# Altium PCB cheriot-test.PcbDoc (part 7 of 10)
Units mil, origin at the board's own origin, x right, y up, seen from the top; angles counter-clockwise.
Board outline 4921.26 x 3149.61 mil, 8 copper layers (Top Layer, Int1 (Sign), Int2 (GND), Int3 (Sign), Int4 (Sign), Int5 (PWR), Int6 (Sign), Bottom Layer), stack 60.424 mil thick; 468 components, 516 nets, 2293 pads, 1328 vias.
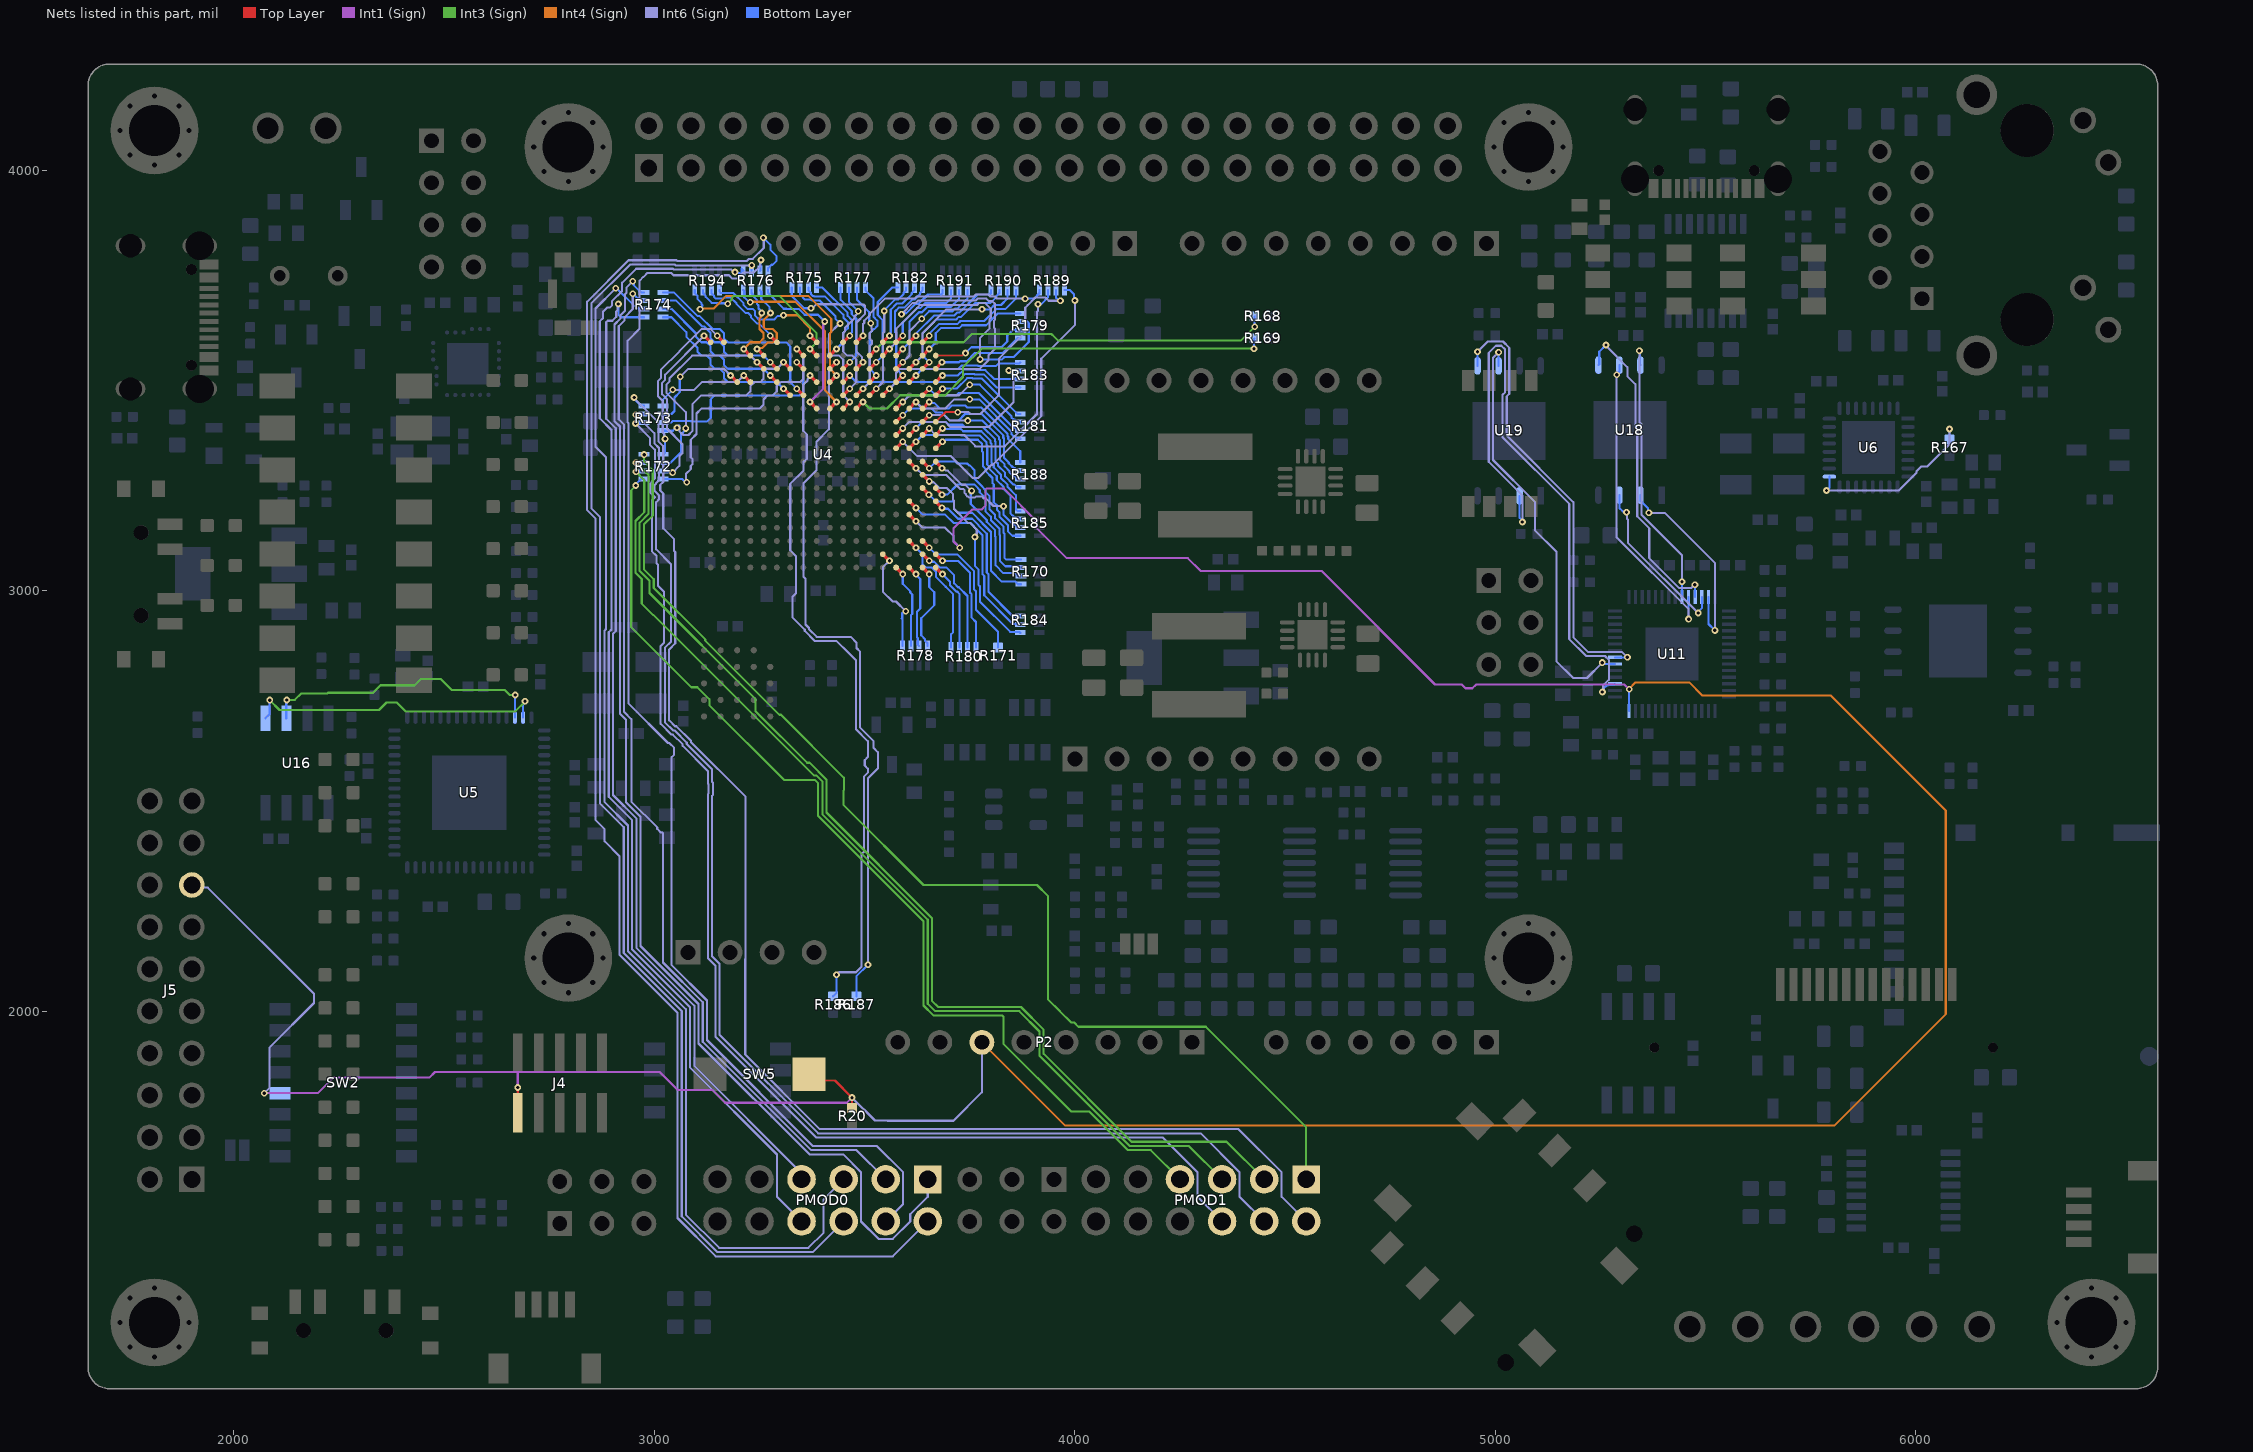
[diagram p13: the nets of this part, all layers, seen from the top]

## Via types
v1: diameter 16, hole 8, Top Layer to Bottom Layer, tented both sides, 1207 vias
v2: diameter 24, hole 12, Top Layer to Bottom Layer, tented both sides, 105 vias
v3: diameter 23.62, hole 11.81, Top Layer to Bottom Layer, tented both sides, 16 vias

## Nets (pads, with @x,y where several pads share a name; then routed paths per layer and width w, separated by ;. In a path a pad name is that pad's centre, name@x,y a point inside that pad or via, vN(x,y) a via of type N, cw(c..) or ccw(c..) an arc to the next point about the centre after c; other vN are vias at no path point) (continued)
NetR167_2: R167.2 U6.17 | length 437
  Int6 (Sign) w5: v1(5787.4,3238.19) 5959.12,3238.19 6001.53,3280.6 6001.53,3284 6012.95,3295.43 6016.36,3295.43 6016.54,3295.61 6027.53,3295.61 6080,3348.08 v1(6080,3384.5)
  Bottom Layer w5: v1(5787.4,3238.19) 5794.05,3244.83 U6.17@5794.05,3271.1 ; R167.2@6080,3359.68 v1(6080,3384.5)
NetR168_1: R168.1 U4.N17 | length 981.8
  Top Layer w8: U4.N17@3511.81,3559.06 v1(3527.56,3574.8)
  Int3 (Sign) w5: v1(3527.56,3574.8) 3543.56,3590.8 3735.38,3590.8 3754.96,3610.38 3943.81,3610.38 3945.51,3608.68 3946.57,3608.68 3960.51,3594.74 4394.75,3594.74 v1(4427.52,3627.5)
  Bottom Layer w5: v1(4427.52,3627.5) R168.1@4427.52,3652.32
NetR169_1: R169.1 U4.M13 | length 1056.7
  Top Layer w8: U4.M13@3480.32,3433.07 v1(3496.06,3448.82)
  Int3 (Sign) w5: v1(3496.06,3448.82) 3511.56,3433.32 3553.13,3433.32 3584.63,3464.81 3691.46,3464.81 3733.72,3507.07 3733.72,3531.14 3778.08,3575.5 v1(4425.93,3575.5)
  Bottom Layer w5: v1(4425.93,3575.5) 4425.93,3598.41 R169.1@4427.52,3600
NetR170_1A: R170.1A U4.U7 | length 392.5
  Top Layer w8: U4.U7@3637.8,3244.09 3637.8,3243.72 3652.83,3228.68 v1(3652.83,3228.31)
  Bottom Layer w5: v1(3652.83,3228.31) 3653.5,3228.31 3669.46,3212.35 3709.92,3212.35 3712.85,3209.42 3712.85,3207.21 3712.85,3194.37 3721.93,3185.29 3734.77,3185.29 3755.78,3185.29 3780.32,3160.74 3780.32,3159.65 3800.47,3139.51 3800.47,3047.33 3826.2,3021.59 3858.52,3021.59 3864.8,3015.32 R170.1A@3871.68,3015.32
NetR170_2A: R170.2A U4.V9 | length 387.7
  Top Layer w8: U4.V9@3669.29,3307.09 3669.29,3306.48 3683.83,3291.94 v1(3683.83,3291.34)
  Int6 (Sign) w5: v1(3683.83,3291.34) 3686.81,3291.34 3692.81,3285.34 3697.61,3285.34 3731.07,3251.88 3738.91,3251.88 3753.55,3237.24 v1(3754.35,3237.24)
  Bottom Layer w5: v1(3754.35,3237.24) 3752.37,3235.27 3752.37,3206.02 3790.32,3168.07 3790.32,3163.8 3810.47,3143.65 3810.47,3128.94 3811.47,3127.94 3811.47,3060.15 3829.84,3041.78 3855.28,3041.78 3855.78,3041.28 3858.52,3041.28 3864.8,3035 R170.2A@3871.68,3035
NetR170_3A: R170.3A U4.V7 | length 372.5
  Top Layer w8: U4.V7@3669.29,3244.09 3669.29,3243.49 3683.83,3228.95 v1(3683.83,3228.35)
  Bottom Layer w5: v1(3683.83,3228.35) 3696.85,3228.35 3720.93,3252.43 3747.61,3252.43 3747.93,3252.74 3760.77,3252.74 3769.85,3243.66 3769.85,3242.86 3773.72,3238.99 3773.72,3233.8 3787.15,3220.36 3787.15,3189.01 3800.32,3175.84 3800.32,3167.94 3820.47,3147.79 3820.47,3133.08 3821.47,3132.08 3821.47,3071.3 3834.68,3058.09 3868.28,3058.09 R170.3A@3871.68,3054.69
NetR170_4A: R170.4A U4.U9 | length 424.3
  Top Layer w8: U4.U9@3637.8,3307.09 v1(3653.54,3291.34)
  Bottom Layer w5: v1(3653.54,3291.34) 3665.14,3302.93 3673.51,3302.93 3677.41,3306.84 3716.06,3306.84 3720.55,3302.35 3743.54,3302.35 3748.03,3297.85 3750.15,3297.85 3760.95,3287.05 3760.95,3265.89 3764.11,3262.74 3764.91,3262.74 3779.85,3247.8 3779.85,3247 3787.47,3239.38 3787.47,3234.45 3797.15,3224.77 3797.15,3193.16 3810.32,3179.99 3810.32,3172.08 3830.47,3151.94 3830.47,3137.22 3832.9,3134.79 3832.9,3077.3 3835.83,3074.37 R170.4A@3871.68,3074.37
NetR171_1: R171.1 U4.U3 | length 357.6
  Top Layer w8: U4.U3@3637.8,3118.11 v1(3653.54,3102.36)
  Bottom Layer w5: v1(3653.54,3102.36) 3669.54,3086.37 3720.52,3086.37 3760.47,3046.42 3760.47,3002.85 3764.47,2998.85 3764.47,2955.29 3817.15,2902.6 R171.1@3817.15,2864.68
NetR172_1A: R172.1A U4.B18 | length 417.2
  Top Layer w8: v1(3149.61,3606.3) U4.B18@3165.35,3590.55
  Int6 (Sign) w5: v1(3025.5,3360.89) 3023.4,3363 3023.4,3372.35 3020,3375.75 3020,3451.16 3008.37,3462.8 3008.37,3498.26 3015.5,3505.39 3015.5,3525.11 3060.03,3569.64 3060.03,3570.14 3111.69,3621.8 3134.11,3621.8 v1(3149.61,3606.3)
  Bottom Layer w5: R172.1A@3020.28,3324.37 3022.09,3324.37 3025.5,3327.78 v1(3025.5,3360.89)
NetR172_2A: R172.2A U4.E16 | length 516.3
  Top Layer w8: v1(3244.09,3543.31) U4.E16@3259.84,3527.56
  Int6 (Sign) w5: v1(3074.8,3385.83) 3074.8,3424.64 3028.37,3471.08 3028.37,3489.97 3035.5,3497.11 3035.5,3504.61 3089.7,3558.81 3228.59,3558.81 v1(3244.09,3543.31)
  Bottom Layer w5: R172.2A@3020.28,3304.69 3021.44,3303.52 3037.64,3303.52 3063.44,3329.32 3063.44,3371.49 3074.8,3382.85 v1(3074.8,3385.83)
NetR172_3A: R172.3A U4.A18 | length 443.5
  Top Layer w8: v1(3118.11,3606.3) U4.A18@3133.86,3590.55
  Int6 (Sign) w5: v1(3043.31,3280.82) 3059.3,3296.81 3059.3,3319.19 3066.68,3326.56 3066.68,3348.94 3030,3385.62 3030,3455.3 3018.37,3466.94 3018.37,3494.12 3025.5,3501.25 3025.5,3513.69 v1(3118.11,3606.3)
  Bottom Layer w5: R172.3A@3020.28,3285 3022.37,3282.91 3041.21,3282.91 v1(3043.31,3280.82)
NetR172_4A: R172.4A U4.H17 | length 639.8
  Top Layer w8: v1(3338.58,3574.8) U4.H17@3354.33,3559.06
  Int6 (Sign) w5: v1(3077.04,3258.14) 3074.93,3260.25 3074.93,3272.28 3074.8,3272.41 3074.8,3277.41 3086.48,3289.08 3086.48,3296.84 3090.3,3300.67 3090.3,3313.51 3086.48,3317.33 3086.48,3358.76 3100.3,3372.59 3100.3,3421.44 3111.69,3432.82 3250.02,3432.82 3259.59,3442.4 3259.59,3454.74 3269.17,3464.32 3281.52,3464.32 3291.09,3473.89 3291.09,3486.24 3300.67,3495.82 3346.21,3495.82 3354.08,3503.69 3354.08,3559.3 v1(3338.58,3574.8)
  Bottom Layer w5: R172.4A@3020.28,3265.32 3066.89,3265.32 3074.06,3258.14 v1(3077.04,3258.14)
NetR173_1A: R173.1A U4.D15 | length 252.8
  Top Layer w8: v1(3212.6,3511.81) U4.D15@3228.35,3496.06
  Int6 (Sign) w5: v1(3043.87,3477.5) 3094.58,3477.5 3112.89,3495.82 3196.6,3495.82 v1(3212.6,3511.81)
  Bottom Layer w5: R173.1A@3020.28,3439.68 3020.28,3453.91 v1(3043.87,3477.5)
NetR173_2A: R173.2A U4.C15 | length 273.7
  Top Layer w8: v1(3181.1,3511.81) U4.C15@3196.85,3496.06
  Int6 (Sign) w5: v1(3061.32,3508.5) 3080.13,3527.31 3165.6,3527.31 v1(3181.1,3511.81)
  Bottom Layer w5: R173.2A@3020.28,3419.99 3040.57,3419.99 3047.75,3427.18 3047.75,3459.47 3060.41,3472.13 3060.41,3507.6 v1(3061.32,3508.5)
NetR173_3A: R173.3A U4.H16 | length 489.7
  Top Layer w8: v1(3338.58,3543.31) U4.H16@3354.33,3527.56
  Bottom Layer w5: R173.3A@3020.28,3400.31 3040.57,3400.31 3044.09,3403.83 3085.8,3403.83 3087.8,3401.82 3124.53,3401.82 3133.94,3411.23 3133.94,3455.07 3143.35,3464.48 3344.67,3464.48 3354.08,3473.89 3354.08,3527.81 v1(3338.58,3543.31)
NetR173_4A: R173.4A U4.G16 | length 456.3
  Top Layer w8: v1(3307.09,3543.31) U4.G16@3322.83,3527.56
  Int6 (Sign) w5: v1(3053.87,3387.56) 3056.85,3387.56 v1@3057.62,3388.33 ; v1@3057.62,3392.25 3059.3,3392.25 3059.3,3379.41 3068.38,3370.33 3081.22,3370.33 3090.3,3379.41 3090.3,3442.93 3111.69,3464.32 3218.52,3464.32 3228.35,3474.14 3228.35,3486.49 3237.92,3496.06 3251.97,3496.06 3259.59,3503.69 3259.59,3522.52 3264.88,3527.81 3291.59,3527.81 v1(3307.09,3543.31)
  Bottom Layer w5: R173.4A@3020.28,3380.62 3020.59,3380.31 3043.65,3380.31 3050.9,3387.56 v1(3053.87,3387.56)
NetR174_1A: R174.1A U4.H14 | length 492.4
  Top Layer w8: v1(3338.58,3480.31) U4.H14@3354.33,3464.57
  Bottom Layer w5: R174.1A@3020.28,3709.37 3046.3,3709.37 3102.24,3653.43 3107.04,3653.43 3138.36,3622.11 3155.71,3622.11 3165.11,3612.72 3165.11,3600.38 3174.93,3590.55 3313.26,3590.55 3323.08,3580.73 3323.08,3495.81 v1(3338.58,3480.31)
NetR174_2A: R174.2A U4.F16 | length 352.7
  Top Layer w8: v1(3275.59,3543.31) U4.F16@3291.34,3527.56
  Bottom Layer w5: R174.2A@3020.28,3689.69 3051.84,3689.69 3113.45,3628.07 3118.26,3628.07 3133.61,3612.72 3133.61,3600.38 3143.35,3590.63 3155.7,3590.63 3165.44,3580.89 3165.44,3568.55 3175.18,3558.81 3260.09,3558.81 v1(3275.59,3543.31)
NetR174_3A: R174.3A U4.F15 | length 362.3
  Top Layer w8: v1(3275.59,3511.81) U4.F15@3291.34,3496.06
  Bottom Layer w5: R174.3A@3020.28,3670 3040.57,3670 3098.91,3611.66 3098.91,3603.58 3111.69,3590.8 3124.03,3590.8 3133.67,3581.16 3133.67,3568.82 3143.25,3559.24 3155.59,3559.24 3165.14,3549.7 3165.14,3537.35 3174.68,3527.81 3259.59,3527.81 v1(3275.59,3511.81)
NetR174_4A: R174.4A U4.G14 | length 405.6
  Top Layer w8: v1(3307.09,3480.32) U4.G14@3322.83,3464.57
  Bottom Layer w5: R174.4A@3020.28,3650.32 3040.57,3650.32 3076.13,3614.76 3076.13,3603.87 3102.61,3577.39 3102.61,3568.38 3111.94,3559.06 3124.28,3559.06 3133.73,3549.6 3133.73,3537.26 3143.25,3527.74 3155.59,3527.74 3165.14,3518.2 3165.14,3505.86 3174.68,3496.31 3291.09,3496.31 v1(3307.09,3480.32)
NetR175_1A: R175.1A U4.L18 | length 182.1
  Top Layer w8: U4.L18@3448.82,3590.55 v1(3464.57,3606.3)
  Bottom Layer w5: R175.1A@3385.83,3721.08 3399.23,3721.08 3459.44,3660.87 3459.44,3653.6 3470.07,3642.98 3470.07,3614.78 3464.57,3609.28 v1(3464.57,3606.3)
NetR175_2A: R175.2A U4.K17 | length 235
  Top Layer w8: U4.K17@3417.32,3559.06 v1(3433.07,3574.8)
  Bottom Layer w5: R175.2A@3366.14,3721.08 3366.14,3714.19 3372.42,3707.91 3372.42,3705.18 3376.81,3700.79 3378.58,3700.79 3379.37,3700 3405.54,3700 3449.44,3656.1 3449.44,3649.46 3460.07,3638.84 3460.07,3623.72 3448.57,3612.22 3448.57,3590.3 v1(3433.07,3574.8)
NetR175_3A: R175.3A U4.L13 | length 396.7
  Top Layer w8: U4.L13@3448.82,3433.07 v1(3464.57,3448.82)
  Int6 (Sign) w5: v1(3441.6,3635.38) 3440.24,3635.38 3415,3610.15 3415,3565 3421.19,3558.81 3439.49,3558.81 3449.07,3549.23 3449.07,3464.32 v1(3464.57,3448.82)
  Bottom Layer w5: R175.3A@3346.46,3721.08 3346.46,3703.58 3357.73,3692.31 3371.15,3692.31 3372.67,3690.79 3374.44,3690.79 3375.23,3690 3393.62,3690 3430.5,3653.12 3430.5,3646.91 3441.6,3635.81 v1(3441.6,3635.38)
NetR175_4A: R175.4A U4.M16 | length 382.8
  Top Layer w8: U4.M16@3480.32,3527.56 v1(3496.06,3543.31)
  Int6 (Sign) w5: v1(3372.55,3671.55) 3375.37,3671.55 3384.92,3681.1 3433.07,3681.1 3433.51,3680.66 3497.51,3680.66 3500.44,3677.73 3500.44,3657.75 3480.56,3637.87 3480.56,3568.38 3493.96,3554.99 3493.96,3545.41 v1(3496.06,3543.31)
  Bottom Layer w5: R175.4A@3326.77,3721.08 3326.77,3700.79 3356.01,3671.55 v1(3372.55,3671.55)
NetR176_1A: R176.1A U4.J13 | length 398.2
  Top Layer w8: v1(3370.08,3448.82) U4.J13@3385.83,3433.07
  Int1 (Sign) w5: v1(3370.08,3448.82) 3401.57,3480.31 3401.57,3637.8 3403.78,3640 v1(3405,3640)
  Bottom Layer w5: R176.1A@3270.38,3714.72 3270.38,3707.83 3307.72,3670.5 3313.51,3670.5 3314.01,3670 3343.42,3670 3357.36,3656.05 3388.95,3656.05 v1(3405,3640)
NetR176_2A: R176.2A U4.E17 | length 234.7
  Top Layer w8: v1(3244.09,3574.8) U4.E17@3259.84,3559.06
  Int4 (Sign) w5: v1(3244.09,3574.8) 3246.2,3576.91 3255.78,3576.91 3269.17,3590.3 3281.51,3590.3 3291.09,3599.88 3291.09,3612.72 3282.01,3621.8 3264.66,3621.8 3260.09,3626.37 3260.09,3643.52 3276.09,3659.52 v1(3276.09,3660.44)
  Bottom Layer w5: R176.2A@3250.7,3714.72 3254.1,3711.32 3254.1,3693.53 3273.99,3673.65 3273.99,3662.54 v1(3276.09,3660.44)
NetR176_3A: R176.3A U4.D17 | length 210.5
  Top Layer w8: v1(3212.6,3574.8) U4.D17@3228.35,3559.06
  Int4 (Sign) w5: v1(3212.6,3574.8) 3228.59,3590.8 3250.51,3590.8 3259.59,3599.88 3259.59,3612.72 3250.09,3622.22 3250.09,3647.66 3252.99,3650.55 3252.99,3658.33 v1(3255.09,3660.44)
  Bottom Layer w5: R176.3A@3231.01,3714.72 3231.01,3707.83 3237.29,3701.55 3237.29,3697.9 3243.7,3691.5 3243.7,3682.01 3247.46,3678.26 3247.46,3671.05 3255.09,3663.41 v1(3255.09,3660.44)
NetR176_4A: R176.4A U4.K13 | length 446
  Top Layer w8: U4.K13@3417.32,3433.07 v1(3433.07,3448.82)
  Int4 (Sign) w5: v1(3227.68,3685.6) 3229.08,3687 3335.18,3687 3405.58,3616.6 3405.58,3476.31 v1(3433.07,3448.82)
  Bottom Layer w5: R176.4A@3211.33,3714.72 3213.7,3712.35 3213.7,3697.79 3225.9,3685.6 v1(3227.68,3685.6)
NetR177_1A: R177.1A U4.N15 | length 257.9
  Top Layer w8: U4.N15@3511.81,3496.06 v1(3527.56,3511.81)
  Bottom Layer w5: R177.1A@3501.84,3721.08 3501.84,3714.19 3521.07,3694.97 3521.07,3651.34 3530.12,3642.28 3530.12,3629.44 3522.48,3621.8 3521.14,3621.8 3512.06,3612.72 3512.06,3527.31 v1(3527.56,3511.81)
NetR177_2A: R177.2A U4.M14 | length 290.6
  Top Layer w8: U4.M14@3480.32,3464.57 v1(3496.06,3480.31)
  Int6 (Sign) w5: v1(3496.06,3480.31) 3512.06,3496.31 3512.06,3581.22 3517.21,3586.38 3517.21,3594.73 3512.06,3599.88 3512.06,3612.72 3517.2,3617.86 3517.2,3622 3516.73,3622.48 3516.73,3633.76 v1(3514.62,3635.86)
  Bottom Layer w5: R177.2A@3482.16,3721.08 3482.16,3691.1 3511.07,3662.19 3511.07,3639.42 v1(3514.62,3635.86)
NetR177_3A: R177.3A U4.L14 | length 313.7
  Top Layer w8: U4.L14@3448.82,3464.57 v1(3464.57,3480.31)
  Int6 (Sign) w5: v1(3464.57,3480.31) 3480.07,3495.81 3480.07,3549.73 3470.74,3559.06 3458.39,3559.06 3449.07,3568.38 3449.07,3612.72 3453.17,3616.83 3453.17,3625.04 3475.9,3647.76 3475.9,3652.14 3484.94,3661.19 v1(3484.94,3664.17)
  Bottom Layer w5: R177.3A@3462.47,3721.08 3462.47,3686.64 v1(3484.94,3664.17)
NetR177_4A: R177.4A U4.L16 | length 221.9
  Top Layer w8: U4.L16@3448.82,3527.56 v1(3464.57,3543.31)
  Bottom Layer w5: R177.4A@3442.79,3721.08 3442.79,3691.67 3469.44,3665.01 3469.44,3657.75 3480.07,3647.12 3480.07,3558.81 v1(3464.57,3543.31)
NetR178_1A: R178.1A U4.P2 | length 266.3
  Top Layer w8: U4.P2@3543.31,3086.61 v1(3559.06,3070.87)
  Int6 (Sign) w5: v1(3559.06,3070.87) 3543.49,3055.3 3543.49,2997.37 3566.73,2974.13 3574.46,2974.13 v1(3597.71,2950.89)
  Bottom Layer w5: R178.1A@3590.32,2868.14 3590.32,2931.36 3587.82,2933.86 3589.4,2935.43 3589.4,2947.26 3591.09,2947.26 3594.73,2950.89 v1(3597.71,2950.89)
NetR178_2A: R178.2A U4.R1 | length 204.2
  Top Layer w8: U4.R1@3574.8,3055.12 v1(3590.55,3039.37)
  Bottom Layer w5: v1(3590.55,3039.37) 3590.55,3016.16 3608.4,2998.31 3608.4,2995.59 3613.21,2990.78 3613.21,2944.47 3610.01,2941.27 R178.2A@3610.01,2868.14
NetR178_3A: R178.3A U4.T1 | length 203.2
  Top Layer w8: U4.T1@3606.3,3055.12 v1(3622.05,3039.37)
  Bottom Layer w5: v1(3622.05,3039.37) 3622.05,3038.08 3632.36,3027.76 3632.36,2957.74 3624.5,2949.88 3624.5,2889.44 3626.29,2887.65 3626.29,2871.55 R178.3A@3629.69,2868.14
NetR178_4A: R178.4A U4.U1 | length 217.5
  Top Layer w8: U4.U1@3637.8,3055.12 v1(3653.54,3039.37)
  Bottom Layer w5: R178.4A@3649.38,2868.14 3649.38,2875.03 3643.1,2881.31 3643.1,2884.98 3634.5,2893.58 3634.5,2934.58 3665.5,2965.58 3665.5,2996.51 3653.54,3008.46 v1(3653.54,3039.37)
NetR179_1A: R179.1A U4.V16 | length 231.6
  Top Layer w8: U4.V16@3669.29,3527.56 3669.29,3528.16 3683.83,3542.7 v1(3683.83,3543.31)
  Bottom Layer w5: v1(3683.83,3543.31) 3724.82,3543.31 3727.01,3545.5 3742.42,3545.5 3762.42,3565.5 3828.3,3565.5 3863.11,3600.32 R179.1A@3870,3600.32
NetR179_2A: R179.2A U4.V17 | length 234.2
  Top Layer w5: U4.V17@3669.29,3559.06 3731.08,3559.06 3737.02,3565 v1(3740,3565)
  Bottom Layer w5: v1(3740,3565) 3753.8,3578.8 3825.43,3578.8 3839.03,3592.4 3839.03,3606.4 3852.63,3620 R179.2A@3870,3620
NetR179_3A: R179.3A U4.P17 | length 664.1
  Top Layer w8: U4.P17@3543.31,3559.06 v1(3559.06,3574.8)
  Int6 (Sign) w5: v1(3559.06,3574.8) 3575.05,3590.8 3575.05,3623.14 3630.95,3679.04 3767.12,3679.04 3772.62,3684.54 3785.46,3684.54 3800,3670 3800,3648.81 3797.27,3646.08 3797.27,3624.01 3774.5,3601.24 v1(3774.5,3550)
  Bottom Layer w5: v1(3774.5,3550) 3826.94,3550 3832.69,3555.76 3854.75,3555.76 3890.3,3591.3 3890.3,3636.76 3887.37,3639.69 R179.3A@3870,3639.69
NetR179_4A: R179.4A U4.U17 | length 286.6
  Top Layer w8: U4.U17@3637.8,3559.06 v1(3653.54,3574.8)
  Bottom Layer w5: v1(3653.54,3574.8) 3669.04,3590.3 3669.04,3612.22 3681.25,3624.43 3725.4,3624.43 3732.17,3631.2 3788.83,3631.2 3817,3659.37 R179.4A@3870,3659.37
NetR180_1A: R180.1A U4.T3 | length 306.7
  Top Layer w8: U4.T3@3606.3,3118.11 v1(3622.05,3102.36)
  Bottom Layer w5: v1(3622.05,3102.36) 3637.55,3086.86 3637.55,3063.01 3645.44,3055.12 3659.76,3055.12 3669.54,3045.34 3669.54,3032.95 3692.85,3009.64 3692.85,3008.92 3710.5,2991.26 3710.5,2901.11 3705.63,2896.24 R180.1A@3705.63,2865
NetR180_2A: R180.2A U4.V1 | length 214.4
  Top Layer w8: U4.V1@3669.29,3055.12 v1(3685.04,3039.37)
  Bottom Layer w5: v1(3685.04,3039.37) 3702.85,3021.56 3702.85,3013.06 3717.78,2998.12 3719.65,2998.12 3725.31,2992.46 R180.2A@3725.31,2865
NetR180_3A: R180.3A U4.U2 | length 282
  Top Layer w8: U4.U2@3637.8,3086.61 v1(3653.54,3070.87)
  Bottom Layer w5: v1(3653.54,3070.87) 3655.65,3068.76 3665.22,3068.76 3679.12,3054.87 3694.91,3054.87 3712.85,3036.93 3712.85,3017.2 3721.93,3008.12 3723.79,3008.12 3744.47,2987.45 3744.47,2931.64 3745,2931.1 R180.3A@3745,2865
NetR180_4A: R180.4A U4.V2 | length 282.7
  Top Layer w8: U4.V2@3669.29,3086.61 v1(3685.04,3070.87)
  Bottom Layer w5: v1(3685.04,3070.87) 3721.88,3070.87 3750.47,3042.28 3750.47,2995.59 3754.47,2991.59 3754.47,2935.78 3764.69,2925.56 R180.4A@3764.69,2865
NetR181_1A: R181.1A U4.T13 | length 327.5
  Top Layer w8: U4.T13@3606.3,3433.07 v1(3622.05,3448.82)
  Int6 (Sign) w5: v1(3622.05,3448.82) 3637.55,3433.32 3691.46,3433.32 3712.96,3454.81 3749.81,3454.81 v1(3750,3455)
  Bottom Layer w5: v1@3750.2,3455 3772.16,3455 3849.7,3377.46 3849.7,3371.92 3854.1,3367.52 3856.83,3367.52 3863.11,3361.24 R181.1A@3870,3361.24
NetR181_2A: R181.2A U4.U14 | length 284.6
  Top Layer w8: U4.U14@3637.8,3464.57 v1(3653.54,3480.32)
  Bottom Layer w5: v1(3653.54,3480.32) 3669.04,3464.81 3718.37,3464.81 3724.06,3470.5 3770.81,3470.5 3854.1,3387.21 3856.83,3387.21 3863.11,3380.93 R181.2A@3870,3380.93
NetR181_3A: R181.3A U4.R13 | length 357.4
  Top Layer w8: U4.R13@3574.8,3433.07 v1(3590.55,3448.82)
  Int6 (Sign) w5: v1(3590.55,3448.82) 3606.55,3464.81 3724.81,3464.81 v1(3750,3490)
  Bottom Layer w5: v1(3750,3490) 3773.74,3490 3849.7,3414.03 3849.7,3411.29 3854.1,3406.89 3856.83,3406.89 3863.11,3400.61 R181.3A@3870,3400.61
NetR181_4A: R181.4A U4.V14 | length 253
  Top Layer w8: U4.V14@3669.29,3464.57 v1(3685.04,3480.31)
  Bottom Layer w5: v1(3685.04,3480.31) 3718.39,3480.31 3743.58,3505.5 3756.53,3505.5 3757.53,3504.5 3778.91,3504.5 3863.11,3420.3 R181.4A@3870,3420.3
NetR182_1A: R182.1A U4.R15 | length 277.3
  Top Layer w8: U4.R15@3574.8,3496.06 v1(3590.55,3511.81)
  Bottom Layer w5: v1(3590.55,3511.81) 3575.05,3527.31 3575.05,3612.22 3572.07,3615.21 3572.07,3664 3581.15,3673.08 3594.06,3673.08 3612.96,3691.98 3618.51,3691.98 3631.71,3705.18 3631.71,3707.91 3637.99,3714.19 R182.1A@3637.99,3721.08
NetR182_2A: R182.2A U4.P18 | length 169.2
  Top Layer w8: U4.P18@3543.31,3590.55 v1(3559.06,3606.3)
  Bottom Layer w5: v1(3559.06,3606.3) 3559.06,3609.28 3562.07,3612.29 3562.07,3668.14 3577,3683.08 3589.92,3683.08 3612.02,3705.18 3612.02,3707.91 3618.3,3714.19 R182.2A@3618.3,3721.08
NetR182_3A: R182.3A U4.N14 | length 296.8
  Top Layer w8: U4.N14@3511.81,3464.57 v1(3527.56,3480.31)
  Int6 (Sign) w5: v1(3527.56,3480.31) 3543.56,3496.31 3543.56,3612.72 3546.57,3615.73 v1(3546.57,3665)
  Bottom Layer w5: v1(3546.57,3665) 3546.57,3666.78 3572.86,3693.08 3580.24,3693.08 3592.34,3705.18 3592.34,3707.91 3598.62,3714.19 R182.3A@3598.62,3721.08
NetR182_4A: R182.4A U4.N16 | length 239.1
  Top Layer w8: U4.N16@3511.81,3527.56 v1(3527.56,3543.31)
  Bottom Layer w5: v1(3527.56,3543.31) 3543.06,3558.81 3543.06,3643.49 3531.07,3655.48 3531.07,3686.62 3565.53,3721.08 R182.4A@3578.93,3721.08
NetR183_1A: R183.1A U4.L15 | length 455.4
  Top Layer w8: U4.L15@3448.82,3496.06 v1(3464.57,3511.81)
  Bottom Layer w5: v1(3464.57,3511.81) 3480.07,3496.31 3720.25,3496.31 3739.44,3515.5 3760.67,3515.5 3761.67,3514.5 3783.05,3514.5 3814.26,3483.3 R183.1A@3870,3483.3
NetR183_2A: R183.2A U4.V15 | length 222.2
  Top Layer w8: U4.V15@3669.29,3496.06 v1(3685.04,3511.81)
  Bottom Layer w5: v1(3685.04,3511.81) 3721.61,3511.81 3735.3,3525.5 3764.81,3525.5 3765.81,3524.5 3787.19,3524.5 3808.71,3502.98 R183.2A@3870,3502.98